# Altium PCB XTRXr5.PcbDoc (part 3 of 5) (continued)
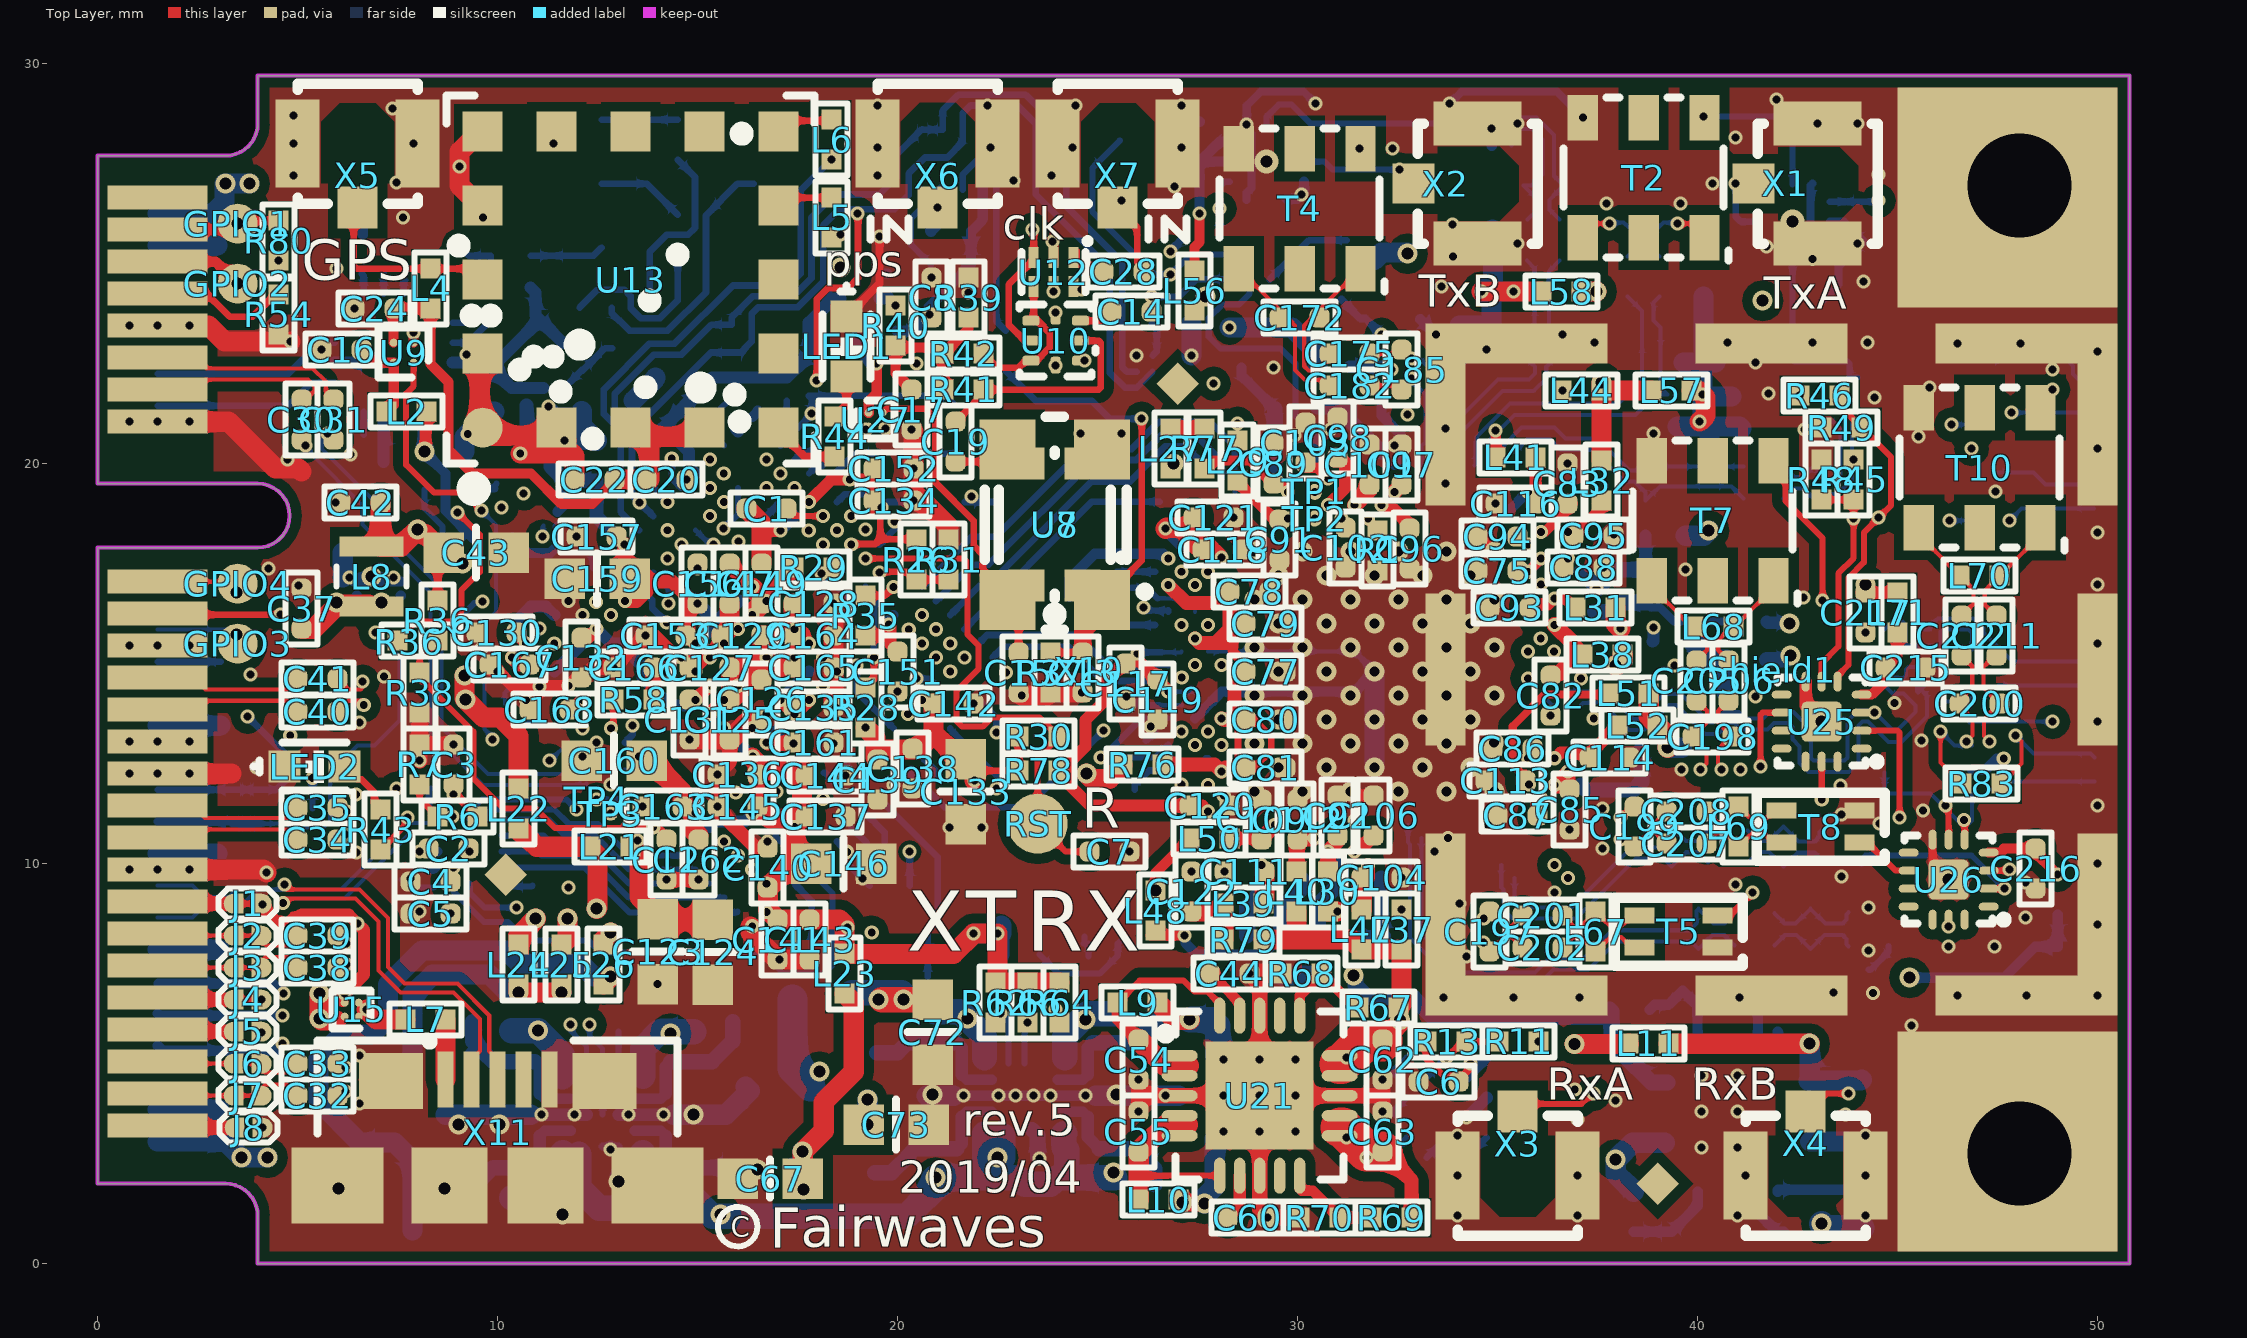
[diagram p0: Top Layer view]
## Nets (pads, with @x,y where several pads share a name; then routed paths per layer and width w, separated by ;. In a path a pad name is that pad's centre, name@x,y a point inside that pad or via, vN(x,y) a via of type N, cw(c..) or ccw(c..) an arc to the next point about the centre after c; other vN are vias at no path point) (continued)
  Bottom Layer w0.15: v1@26.223,16.327 U2.N33@26.764,16.327
  Bottom Layer w0.17: v1(26.15,16.4) v1@26.223,16.327 ; U2.N33@26.764,16.299 U2.N33@26.764,16.327
DIQ2_10: U1.U7 U2.P30 | length 12.5
  Layer 3 w0.102: v7(17.776,18.326) 17.772,18.322 17.772,17.878 18.071,17.578 18.236,17.578 18.443,17.372 18.443,17.032 19.15,16.325 20.253,16.325 20.481,16.553 23.67,16.553 24.645,15.578 26.156,15.578 26.43,15.304 27.566,15.304 27.763,15.501 v1(27.763,15.966)
  Bottom Layer w0.17: U1.U7@17.775,18.332 U1.U7@17.778,18.336 ; v7(17.776,18.326) U1.U7@17.776,18.331
DIQ2_11: U1.U8 U2.P32 | length 12.3
  Layer 3 w0.102: v7(18.132,17.982) 18.293,17.982 19.682,16.593 20.036,16.593 20.543,17.1 21.8,17.1 21.831,17.1 ccw(c21.831,17.252) 21.983,17.252 cw(c22.136,17.252) 22.136,17.405 cw(c22.136,17.252) 22.288,17.252 22.288,17.1 22.288,16.96 ccw(c22.44,16.96) 22.44,16.807 ccw(c22.44,16.96) 22.593,16.96 22.593,17.1 22.593,17.252 cw(c22.745,17.252) 22.745,17.405 cw(c22.745,17.252) 22.898,17.252 ccw(c23.05,17.252) 23.05,17.1 24.05,17.1 24.1,17.05 24.215,16.935 24.322,16.828 cw(c24.215,16.72) 24.322,16.612 ccw(c24.43,16.504) 24.322,16.397 ccw(c24.43,16.504) 24.538,16.397 24.646,16.504 24.753,16.612 cw(c24.861,16.504) 24.969,16.612 cw(c24.861,16.504) 24.969,16.397 ccw(c25.077,16.289) 24.969,16.181 25.077,16.073 25.184,15.966 v1(27.097,15.966)
DONE: R28.2 U1.U12 | length 2.3
  Top Layer w0.17: R28.2@19.2,14.4 19.408,14.608 v1(19.408,15.158)
  Bottom Layer w0.17: v1(19.408,15.158) 19.408,16.414 19.4,16.422 U1.U12@19.546,16.568
EN_GPIO: U1.D17 U30.2 U30.8 | length 33.5
  Layer 3 w0.102: v1(4.815,13.2) 4.364,12.749 4.364,11.38 3.075,10.092 3.075,6.116 5.687,3.504 7.451,3.504 8.247,4.3 18.225,4.3 19.034,5.109 19.034,7.958 v1(19.351,8.275)
  Layer 6 w0.102: v1(4.815,13.2) v2(5.935,13.2) ; v2(16.718,10.204) 17.162,10.204 17.397,9.969 17.397,9.753 18.422,8.728 18.898,8.728 v1(19.351,8.275)
EN_GPS: U1.L18 U9.A1 | length 25.3
  Top Layer w0.15: U9.A1@7.9,22.525 7.9,21.938 7.712,21.75 7.712,19.973 8.41,19.275 9.15,19.275 v1(9.6,18.825)
  Layer 3 w0.102: v1(9.875,13.101) 9.875,14.171 10.802,15.097 12.116,15.097 13.139,14.074 13.647,14.074 14.022,13.699 14.022,13.319 14.788,12.553 15.674,12.553 16.427,11.8 v7(16.975,11.8)
  Layer 6 w0.102: v7(16.975,11.8) 18.025,12.85 18.025,13.089 18.311,13.375 18.625,13.375 18.993,13.007 19.328,13.007 19.546,12.79 v2(19.546,12.325)
  Bottom Layer w0.102: v1(9.6,18.825) 9.953,18.472 9.953,16.292 9.672,16.01 9.672,13.361 9.875,13.157 v1(9.875,13.101)
EN_TCXO: U1.R19 U27.B1 | length 26.4
  Layer 4 w0.102: v1(19.201,20.851) 20.522,22.172 20.973,22.172 23.666,24.865 24.586,24.865 25.525,23.926 25.525,22.267 27.304,20.488 27.304,19.834 27.041,19.572 26.172,19.572 24.657,18.057 24.657,15.248 23.03,13.622 22.35,13.622 22.092,13.364 22.092,12.92 22.475,12.537 v1(22.475,11.875)
  Bottom Layer w0.152: U1.R19@21.314,13.386 21.314,13.361 22.475,12.2 v1(22.475,11.875)
EXT_CLK: U1.V17 U12.6 | length 11.3
  Layer 4 w0.102: v1(21.667,15.154) 23,16.486 23,23.864 23.764,24.628 24.322,24.628 v1(24.6,24.35)
FCLK_1: R2.1 U1.G19 | length 1.4
  Bottom Layer w0.17: U1.G19@18.485,10.557 18.675,10.368 18.675,10.075 R2.1@19.3,9.45
FCLK_2: R3.2 U1.W6 | length 1.8
  Bottom Layer w0.17: U1.W6@18.132,19.396 18.438,19.703 18.438,19.751 18.937,20.25 R3.2@19.525,20.25
FLASH_CCLK: U1.C11 U4'.B2 U4.B2 | length 24.9
  Layer 6 w0.102: v2@14.25,11.975 14.775,11.975 16.153,10.597 17.057,10.597 17.6,10.053 17.6,9.838 18.463,8.975 19.764,8.975 20.83,7.91 21.054,7.91 21.492,7.472 24.028,7.472 24.163,7.337 24.663,7.337 25.128,6.872 28.091,6.872 29.622,5.341 29.622,4.964 29.936,4.65 30.325,4.65 30.997,3.978 32.397,3.978 33.725,2.65 v2(34.225,2.65)
  Bottom Layer w0.17: v2(34.225,2.65) U4'.B2@34.725,3.15
  other v2: 14.243,11.972
FLASH_D0: R18.1 U1.D18 | length 7.1
  Layer 6 w0.102: v2(17.051,9.85) 17.051,9.812 17.425,9.438 17.425,8.836 18.757,7.503 20.886,7.503 21.339,7.05 22.45,7.05 v2(22.575,6.925)
FLASH_D1: R10.2 U1.D19 | length 1.8
  Bottom Layer w0.17: U1.D19@17.425,9.497 17.85,9.071 R10.2@17.85,7.85
FLASH_D2: R11.2 U1.G18 | length 21.2
  Layer 6 w0.102: v2(18.132,10.911) 18.132,10.854 19.536,9.45 19.864,9.45 20.461,8.853 20.795,8.853 21.726,7.922 22.636,7.922 22.718,8.003 25.878,8.003 26.583,7.298 28.535,7.298 31.011,4.822 31.932,4.822 32.089,4.978 33.361,4.978 33.844,4.496 34.971,4.496 v1(36.025,5.55)
FLASH_D3: R17.1 U1.F18 | length 9.1
  Layer 6 w0.102: v2(17.778,10.557) 17.803,10.532 17.803,10.068 18.624,9.247 19.78,9.247 20.377,8.65 20.622,8.65 21.597,7.675 v2(24.775,7.675)
  Bottom Layer w0.152: R17.1@24.675,8.175 24.675,8.028 24.65,8.003 24.773,8.003 24.775,8.001 v2(24.775,7.675)
FLASH_FCS_B: R12.1 U1.K19 U4'.C2 U4.C2 | length 27.1
  Layer 6 w0.102: v2(20.75,7.175) 19.2,7.175 18.75,6.725 18.75,3.1 20.102,1.748 26.148,1.748 26.4,2 32.575,2 v2(33.225,2.65)
  Bottom Layer w0.17: U1.K19@19.546,11.618 21,10.164 21,8.55 R12.1@20.75,8.3 ; R12.1@20.701,8.251 R12.1@20.75,8.3 ; v2(20.75,7.175) R12.1@20.75,8.3 ; v2(33.225,2.65) U4'.C2@33.725,3.15
FPGA_CLK: U1.N17 U10.1 | length 14.2
  Layer 4 w0.102: v1(18.975,14.95) 19.125,14.8 20.186,14.8 20.339,14.953 20.696,14.953 21.178,14.471 21.525,14.471 23.36,16.306 23.36,21.26 v1(24.675,22.575)
  Bottom Layer w0.17: v1(18.975,14.95) 18.975,14.31 U1.N17@19.899,13.386
FPGA_PRG_B: C7.2 R30.2 RST.1 U1.V10 | length 13.8
  Top Layer w0.152: v1(19.192,17.628) 21.646,17.629 21.75,17.525 21.75,15.725 22.025,15.45 22.025,14.875 21.472,14.322 21.472,13.563 21.611,13.425 22.125,13.425 22.35,13.65 23.55,13.65 R30.2@24.025,13.175 23.5,12.65 RST.1@23.5,11 24.2,10.3 C7.2@24.8,10.3
GND: C1.1 C2.1 C3.1 C4.1 C5.2 C6.1 C7.1 C8.1 C9.1 C10.2 C11.1 C12.1 C13.1 C15.1 C16.1 C17.2 C18.2 C20.2 C21.1 C22.1 C23.1 C24.1 C25.1 C26.2 C27.1 C29.2 C36.1 C37.2 C42.1 C43.2 C44.1 C45.1 C46.1 C47.1 C48.1 C49.1 C50.1 C51.1 C52.1 C53.1 C54.1 C55.1 C56.1 C57.1 C58.1 C59.1 C60.1 C61.1 C62.1 C63.1 C64.1 C65.1 C66.2 C67.1 C68.2 C69.1 C70.1 C71.1 C72.1 C73.1 C74.1 C75.1 C76.1 C77.1 C78.1 C79.1 C80.1 C81.1 C82.1 C83.1 C84.1 C85.1 C86.1 C87.1 C88.1 C89.1 C90.1 C91.1 C92.1 C93.1 C94.1 C95.1 C96.2 C97.2 C98.2 C99.2 C100.2 C101.2 C102.2 C103.2 C104.2 C105.2 C106.2 C107.2 C108.2 C109.2 C110.2 C111.2 C112.2 C113.2 C114.2 C115.2 C116.2 C117.2 C118.1 C119.1 C120.1 C121.1 C122.2 C123.1 C124.1 C125.2 C126.2 C127.2 C128.2 C129.2 C130.1 C131.2 C132.2 C133.1 C134.2 C135.2 C136.2 C137.2 C138.2 C139.2 C140.2 C141.2 C142.2 C143.2 C144.2 C145.2 C146.2 C147.2 C148.2 C149.2 C150.2 C151.2 C152.2 C153.2 C154.2 C155.2 C156.2 C157.2 C158.2 C159.2 C160.2 C161.2 C162.2 C163.2 C164.2 C165.2 C166.2 C167.2 C168.2 C169.2 C170.2 C183.2 C184.2 C189.2 C190.2 C191.2 C192.2 C193.1 C194.1 C215.1 C216.1 C217.2 C218.2 C219.1 C220.1 ESD1.2 GND2.1 GND3.1 J1.1 J1.2 J4.1 J4.2 J5.2 J8.2 LED1.1 LED2.1 R1.2 R5.2 R7.1 R9.2 R24.1 R31.2 R37.2 R38.2 R39.1 R48.1 R49.1 R50.1 R54.1 R60.1 R68.2 R70.2 R72.2 R74.2 R85.1 Shield1.0 T1.2 T1.5 T2.3 T3.2 T3.5 T4.3 T5.1 T6.2 T6.5 T7.3 T8.2 T9.2 T9.5 T10.3 U1.A1 U1.A3 U1.A5 U1.A7 U1.A9 U1.A13 U1.A19 U1.B3 U1.B5 U1.B7 U1.B9 U1.B12 U1.B13 U1.B14 U1.C2 U1.C3 U1.C4 U1.C6 U1.C10 U1.C12 U1.C19 U1.D3 U1.E3 U1.E17 U1.E18 U1.F1 U1.F2 U1.F19 U1.G1 U1.G8 U1.G11 U1.H7 U1.H8 U1.H11 U1.H12 U1.H18 U1.J8 U1.J9 U1.J11 U1.J12 U1.K8 U1.L8 U1.L9 U1.L11 U1.L19 U1.M9 U1.M13 U1.N9 U1.N12 U1.N13 U1.P2 U1.T19 U1.U6 U1.U9 U1.U10 U1.V18 U1.W1 U1.W11 U1.W12 U2.0 U2.AA31 U2.AF32 U2.AG29 U2.AJ7 U2.AJ9 U2.AJ19 U2.AK12 U2.AK20 U2.AL13 U2.AL23 U2.AM22 U2.AN25 U2.B18 U2.B20 U2.C7 U2.C23 U2.D20 U2.E25 U2.F6 U2.G31 U2.H2 U2.J33 U2.K4 U2.L3 U2.N3 U2.T30 U2.W29 U2.Y30 U3.C3 U4'.B3 U4.B3 U5.3 U6.A2 U7.2 U8.2 U9.B1 U10.4 U11.0 U11.10 U12.2 U13.1 U13.2 U13.4 U13.5 U13.16 U15.B2 U16.B2 U17.B2 U19.A3 U19.B3 U19.C1 U19.C3 U19.D1 U19.E3 U19.F3 U19.G3 U20.A3 U20.B3 U20.C1 U20.C3 U20.C5 U20.D1 U20.D3 U20.E3 U20.F3 U20.G3 U21.0 U21.3 U21.8 U21.13 U21.18 U22.0 U22.3 U22.8 U22.13 U22.18 U23.0 U23.1 U23.3 U23.4 U23.6 U23.10 U23.12 U24.0 U24.1 U24.3 U24.4 U24.6 U24.10 U24.12 U25.0 U25.7 U26.0 U26.7 U27.B2 U28.B2 U29.B2 U30.10 X1.2 X2.2 X3.2 X4.2 X5.2 X6.2 X7.2 X8.0 X8.1 X8.4 X8.7 X8.9 X8.12 X8.15 X9.6 X10.0 X10.4 X10.9 X10.15 X10.18 X10.21 X10.26 X10.27 X10.29 X10.34 X10.35 X10.37 X10.40 X10.43 X10.50 X11.0 X11.5 X12.0 X12.3 X12.5 X12.7 X13.0 X13.1 X13.4 X13.7 X13.9 X13.12 X13.15 | length 152.1
  Top Layer w0.15: J1.1@3.4,9 J1.1@3.525,9 J1.2@3.975,9 4.075,9 J1.2@4.1,8.975 ; J4.1@3.525,6.6 J4.2@3.975,6.6 J4.2@4.075,6.6
  Top Layer w0.152: 4.575,8.55 4.701,8.55 4.876,8.725 5.1,8.725
  Top Layer w0.2: U26.7@45.875,10.6 45.875,10 v11(46.275,9.6)
  Top Layer w0.203: LED1.1@18.725,23.675 19.55,24.5 v1(19.55,25.675)
  Top Layer w0.25: J1.2@4.075,9 J1.2@4.1,9 ; U9.B1@7.9,23.025 v1(7.9,23.275)
  Top Layer w0.254: v5(31.325,11.8) 31.425,11.7 C106.2@31.9,11.7 ; C94.1@34.5,18.175 34.875,17.8 v5(34.925,17.8)
  Top Layer w0.3: v1(10,14.8) 10.014,14.8 10.388,14.426 v1(11.051,14.426) ; C168.2@10.775,13.85 10.775,14.014 11.199,14.438 11.758,14.438 11.969,14.65 C132.2@12.1,14.65 12.35,14.9 v1(12.9,14.9) v1(13.7,15.7) 13.947,15.7 14.491,15.156 v1(14.596,15.156) 14.687,15.065 15.11,15.065 ; C127.2@14.8,14.9 14.945,14.9 15.11,15.065 ; C129.2@15.6,15.7 15.6,15.555 15.11,15.065 ; 16.6,18.325 v1(17.075,18.325)
  Top Layer w0.305: v1(4.125,8.975) 4.125,8.888 4.463,8.55 4.575,8.55 ; 5.1,8.725 6.275,8.725 v1(6.5,8.5) 6.655,8.345 6.655,7.23 6.12,6.695 U15.B2@6.12,6.564 ; v10(29.05,4.2) v7(29.95,4.2) ; U25.7@42.7,14.55 42.7,13.95 v11(43.1,13.55)
  Top Layer w0.35: X10.43@1.5,6.65 1.55,6.6 J4.1@3.4,6.6 ; X10.37@1.5,9.05 1.55,9 J1.1@3.4,9 ; v3(14.225,9.6) v3(15.025,9.6) ; C145.2@15.461,11.386 16.447,10.4 C140.2@16.75,10.4 ; v3(15.5,11.425) 15.498,11.427 v3(15.5,12.225) v3(15.5,12.225) 15.8,12.525 C125.2@15.8,13.1 15.8,13.243 v1(15.657,13.386)
  Top Layer w0.381: R38.2@8.05,13.775 v3(8.05,12.575) R7.1@8.05,12.975 v9(8.9,12.975) ; v3(26.025,3.8) 26.025,4.2 ; v3(26.025,4.6) 26.025,4.2 ; v3(28.8,7.25) 29.05,7 U21.18@29.05,6.2 v10(29.05,5.1) v10(29.05,4.2) ; v7(29.95,4.2) U21.13@31.05,4.2 32,4.2 ; R70.2@30.05,1.15 v1(29.25,1.15) 29.05,1.35 U21.8@29.05,2.2 v10(29.05,3.3) v10(29.05,4.2) ; v3(32.125,3.8) 32.125,4.075 32,4.2 ; v3(32.125,4.6) 32.125,4.325 32,4.2 ; 26.025,4.2 v1(26.7,4.2) U21.3@27.05,4.2 v10(28.15,4.2) v10(29.05,4.2)
  Top Layer w0.5: v3(1.5,9.85) 4.15,9.85 v1(4.225,9.775) ; v3(1.5,12.25) 3.35,12.25 ; v3(1.5,21.05) 3.275,21.05 4.45,19.875 5.025,19.875 5.1,19.8 ; v3(1.5,23.45) 2.775,23.45 3.175,23.05 v1(4.825,23.05) ; U13.2@9.55,22.75 9.55,20.9 9.75,20.7 11.2,20.7 11.4,20.9 11.726,20.574 11.401,20.25 ; U13.4@9.55,26.45 9.05,26.95 v1(9.05,27.425) 9.05,27.8 U13.5@9.55,28.3 ; v1(10.564,20.25) 11.401,20.25 ; C22.1@11.925,19.6 11.925,20.191 11.866,20.25 11.401,20.25 ; v1(14.8,13.1) C125.2@15.8,13.1 16.3,13.6 C126.2@16.6,13.6 ; C129.2@15.6,15.7 15.8,15.9 C147.2@15.8,16.5 ; C1.1@16.225,18.875 16.6,18.5 16.6,18.325 C149.2@16.6,17.5 ; v1@16.325,8.425 16.325,8.275 C141.2@17,7.6 v9(17.05,7.6) C143.2@17.8,7.6 ; C135.2@18.4,13.9 C165.2@18.4,14.9 C164.2@18.4,15.7 v1(18.4,16.5) ; v1(20.35,20.85) 20.4,20.8 v3(20.4,19.875) v3(20.4,19.075) 20.625,19.075 21.275,18.425 R31.2@21.275,18.1 ; C15.1@23.025,14.272 23.097,14.201 v3(23.101,14.201) 23.751,14.201 R37.2@23.825,14.275 23.851,14.301 23.876,14.276 v1(24.601,14.276) ; v3(28.8,7.25) R68.2@29.6,7.25
  Layer 6 w0.127: v1(22.525,4.2) v1(22.95,4.2) v1(23.4,4.2) v1(23.825,4.2)
  Bottom Layer w0.102: U2.T30@27.763,15.3 31.425,15.3 v5(31.925,14.8)
  Bottom Layer w0.15: v2@16.95,10.9 16.95,10.678 U1.E17@17.071,10.557 U1.E18@17.425,10.204 ; U1.E18@17.425,10.2 U1.E18@17.425,10.203 ; U1.F19@18.125,10.2 18.121,10.204 U1.E18@17.425,10.204
  Bottom Layer w0.17: U1.B9@13.182,12.325 U1.B9@13.189,12.318 ; U1.C10@13.882,12.318 U1.C10@13.9,12.3
  Bottom Layer w0.2: U24.6@28.725,26.59 v2(28.725,26.62) 28.725,26.775 28.839,26.889 28.839,28.257 28.664,28.432 28.725,28.493 U24.10@28.725,28.51 28.725,28.95 29.075,29.3 30.15,29.3 v1(30.45,29) ; v1(33.8,29) 34.1,29.3 36.48,29.3 v1(37.13,28.65) ; U23.10@42.875,25.09 v1(42.875,25.12) 42.875,25.325 42.825,25.375 42.825,26.96 U23.6@42.875,27.01
  Bottom Layer w0.203: U19.D1@12.625,2.925 12.825,2.925 U19.C1@13.025,2.925
  Bottom Layer w0.25: U1.C10@13.889,12.325 14.05,12.486 v2(14.05,12.7) ; v2(27.43,13.634) U2.Y30@27.763,13.968 U2.W29@28.096,14.3 31.425,14.3 v5(31.925,14.8)
  Bottom Layer w0.254: U1.F1@11.768,16.568 U1.G1@12.121,16.921 ; R24.1@12.099,21.314 12.1,21.315 R24.1@12.1,21.35 ; U1.W1@16.364,21.164 16.5,21.3 v6(16.5,21.325) ; 21.4,4.2 v1(21.65,4.2) v1(22.525,4.2) v1(22.95,4.2) v1(23.4,4.2) v1(23.825,4.2) v1(24.7,4.2) ; v2(24.3,16.675) 24.3,17.125 24.925,17.75 26.644,17.75 v1(26.764,17.631) ; v1(27.1,28.95) 27.1,28.7 27.25,28.55 C170.2@27.55,28.55 ; U24.4@29.725,26.62 29.995,26.62 v1(30.1,26.725) 30.155,26.78 U24.3@30.155,27.05 ; C190.2@33.063,23.612 33.449,23.226 v1(33.458,23.226) ; T3.5@34.85,27.95 v1(34.85,28.375) T3.2@34.85,28.8 ; X8.12@46.86,12.35 47.2,12.35 47.476,12.626 v1(47.652,12.626)
  Bottom Layer w0.3: U11.10@5.925,22.525 U11.0@7.15,22.525 ; v2(11.414,14.8) U1.E3@12.121,15.507 ; v1(17.075,18.325) 17.075,18.339 U1.U6@17.425,18.689
  Bottom Layer w0.305: 10.825,3.725 v1(11.1,3.725) v1(11.925,3.725) U19.E3@12.225,3.725 ; v1@12.825,2.925 13.025,2.725 v4(13.025,2.05) ; U19.C3@13.025,3.725 v1(13.275,3.725) v1(14.15,3.725) 14.4,3.725 ; C9.1@20.834,25.821 20.834,25.834 21.116,26.115 21.116,26.269 21.125,26.278 U5.3@21.125,26.85 ; v1(24.7,4.2) 24.95,4.2 ; C100.2@31.3,22.425 C99.2@32.1,22.425 ; v1(34.225,3.65) U4'.B3@34.725,4.15
  Bottom Layer w0.381: v2@23.357,3.357 23.5,3.213 C59.1@23.5,2.65
  Bottom Layer w0.5: v2(1.5,3.85) 3.05,3.85 ; v2(1.5,7.85) 3.05,7.85 ; v2(1.5,10.25) 3,10.25 ; v2(1.5,13.45) 3.075,13.45 ; v2(1.5,25.45) 3,25.45 ; C27.1@9.175,20.3 9.175,20.669 v1(9.251,20.745) 9.806,21.3 C21.1@9.925,21.3 ; C148.2@13.393,21.582 13.95,22.139 C150.2@13.95,22.15 ; v1(27.35,22.7) C10.2@27.35,23.5 ; v2(29.6,7.2) v6(30.5,7.2) ; v5(31.925,12.4) v5(31.925,13.6) v5(31.925,14.8)
  Bottom Layer w0.508: 8.7,3.725 10.825,3.725 ; 11.325,21.25 11.419,21.156 ; v1(11.675,20.575) C158.2@11.7,20.6 ; R24.1@12.099,21.314 R24.1@12.099,21.156 ; R24.1@12.1,21.315 R24.1@12.1,21.157 ; 14.4,3.725 v4(14.9,3.725) 15.7,3.725 16.3,4.325 C66.2@16.2,4.425 ; v4@20.725,4.2 21.4,4.2 ; 24.95,4.2 v1(26.7,4.2) 27.025,4.2 ; 11.419,21.156 11.7,20.875 C158.2@11.7,20.6 ; 11.419,21.156 R24.1@12.099,21.156 ; C158.2@11.7,20.6 12.099,20.999 ; C158.2@11.7,20.6 v1(12.375,20.6) 12.4,20.575 C155.2@12.475,20.575 12.099,20.951 12.099,20.999 ; 12.099,20.999 R24.1@12.099,21.156 ; 12.099,20.999 12.1,21 R24.1@12.1,21.157 ; R24.1@12.099,21.156 R24.1@12.1,21.157
  other v1: 34,1.2 37,1.2 41,1.2 37,2.2 23.55,2.625 12.825,2.85 40.1,2.9 41,2.9 4.125,3.402 43.7,3.725 40.1,3.8 41,3.8 6.55,4 37.95,4.075 36.927,4.35 40.1,4.7 41,4.7 6.55,5.2 4.1,5.775 45.35,5.95 4.1,6.602 33.65,6.65 35.4,6.65 37.05,6.65 41.043,6.65 46.5,6.7 48.225,6.7 50,6.7 6.175,6.75 44.378,6.77 43.4,6.775 34.225,7.675 44.275,7.825 46.275,7.925 47.425,7.925 16.364,8.436 50,8.475 48.2,8.65 8.05,8.8 44.275,8.9 34.05,9 36.425,9.275 40.944,9.479 48.2,9.525 43.6,9.675 50,10 6.475,10.275 9.3,10.3 33.424,10.305 37.625,10.375 33.757,10.638 34.756,10.971 44.55,11 31.425,11.075 43.6,11.225 45.638,11.325 37.625,11.375 50,11.45 28.151,11.701 6.463,11.727 43.575,11.95 12.825,11.975 19.899,11.972 27.097,11.978 39.6,12.35 41.075,12.35 3.975,12.4 12.121,12.679 18.4,13 12.475,13.032 45.6,13.075 16.364,13.388 6.55,13.525 50,13.55 16.718,13.741 10.707,14.093 41.45,14.175 11.768,14.448 18.132,14.446 7.158,14.681 14.95,14.802 18.485,14.802 15.303,15.154 18.132,15.154 15.657,15.509 50,15.5 16.01,15.863 12.121,16.216 11.768,16.57 42.65,16.65 50,16.975 39.7,17.35 4.275,17.375 15,17.375 37.902,18.226 50,18.275 5.95,19.025 47.45,19.3 4.75,20.1 6.325,20.225 50,20.375 45.525,20.675 29.925,20.7 24.575,20.75 25.6,20.75 38.9,20.75 30.825,20.85 42.675,20.85 19.7,20.875 11.275,21.425 44.425,21.65 41.775,21.75 13.693,21.907 45.795,21.9 32.35,22.35 48.875,22.35 29.4,22.4 20.475,22.5 41.45,22.525 25.975,22.7 50,22.8 34.725,22.85 46.5,23 48.075,23 37.425,23.025 40.75,23.025 42.875,23.025 44.25,23.025 36.625,23.225 23.95,23.775 21.775,24.275 33.6,24.425 44.15,24.55 5.975,24.875 33.883,25.175 41.725,25.425 23.875,25.55 33.875,25.975 7.63,26.15 9.63,26.15 37.725,26.5 39.575,26.5 26.925,26.925 40.375,27 7.475,27.026 22.9,27.075 4.9,27.2 19.5,27.2 23.85,27.2 44.525,27.225 32.375,27.875 19.5,27.9 24.375,27.9 27.1,27.9 4.9,28 40.95,28.15 28.725,28.48 43,28.5 44,28.5 4.9,28.7 7.375,28.875 19.5,28.95 24.45,28.95 41.975,29.1
  other v2: 23.375,3.375 0.8,3.85 2.3,3.85 10.35,4.325 9.05,4.425 23.575,5.025 0.8,7.85 2.3,7.85 35.175,8.075 44.273,8.36 38.777,9.063 17.071,9.143 18.132,10.204 0.8,10.25 2.3,10.25 30.094,10.305 43.6,10.413 14.25,10.557 14.95,10.557 31.093,10.638 14.596,10.911 16.95,10.925 38.685,10.934 14.243,11.264 14.596,11.618 13.185,12.329 0.8,13.45 2.3,13.45 11.768,13.739 12.475,13.739 16.01,13.739 21.667,13.739 16.364,14.093 14.596,14.446 46.86,14.75 15.657,14.8 17.071,14.8 22.021,14.8 11.061,15.154 11.768,15.154 16.364,15.507 16.718,15.861 17.071,16.214 0.8,16.65 1.5,16.65 2.3,16.65 6.55,16.651 7.65,16.651 39.7,16.675 36.754,16.965 18.839,17.275 20.253,17.275 36.421,17.298 18.485,17.628 19.899,17.628 37.087,17.964 27.43,18.297 35.755,18.63 10.575,18.8 11.075,18.825 29.428,18.963 31.093,19.296 30.094,19.629 35.427,19.651 31.093,19.962 31.759,19.962 43.575,21.65 6.9,22.275 7.9,22.275 31.1,22.35 6.9,23.275 40.15,25.175 0.8,25.45 2.3,25.45 8.63,26.15 21.125,26.428 41.725,26.7 42.875,26.98 29.9,28.225
  other v3: 44.2,1.2 41.2,2.2 44.2,2.2 44.2,3.2 14,6.987 7.825,9.625 19.125,9.625 32.6,9.65 27.35,9.8 28.175,9.8 0.8,9.85 2.3,9.85 18.731,10.297 25.8,10.3 16.75,10.55 36.8,10.85 21.3,10.9 22.1,10.9 13.625,11.425 18.7,12.2 0.8,12.25 2.3,12.25 0.8,13.05 1.5,13.05 2.3,13.05 26.326,13.426 36.325,13.7 21.9,14 44.925,14.018 25.725,14.175 20,14.3 3.825,14.725 9.6,15.375 0.8,15.45 1.5,15.45 2.3,15.45 44.2,15.775 5.025,16.95 37.65,17.4 11.975,18.175 28.4,18.65 34.95,19 33.7,19.5 14.725,19.6 36.75,20 32.425,20.45 33.7,20.875 0.8,21.05 2.3,21.05 9.225,22.725 5.6,22.85 0.8,23.45 2.3,23.45 6.425,23.875 20.85,24.65 35.5,25.5 44,25.5 22.325,27.9 7.9,28 35.5,28.5 22.25,28.95
  other v4: 11.625,1.225 6.025,1.875 8.675,1.875 16.5,2.35 9.025,3.475 10.05,3.475 20.875,4.225 25.475,4.225 16.1,28.25
  other v5: 28.925,11.8 30.125,11.8 32.525,11.8 33.725,11.8 34.925,11.8 29.525,12.4 30.725,12.4 33.125,12.4 34.325,12.4 28.925,13 30.125,13 31.325,13 32.525,13 33.725,13 34.902,13.026 29.525,13.6 30.725,13.6 33.125,13.6 34.325,13.6 28.925,14.2 30.125,14.2 31.325,14.2 32.525,14.2 33.725,14.2 34.925,14.2 29.525,14.8 30.725,14.8 33.125,14.8 34.325,14.8 28.925,15.4 30.125,15.4 31.325,15.4 32.525,15.4 33.725,15.4 34.925,15.4 29.525,16 30.725,16 31.925,16 33.125,16 34.325,16 28.925,16.6 30.125,16.6 31.325,16.6 32.525,16.6 33.725,16.6 34.925,16.6 29.525,17.2 30.725,17.2 31.925,17.2 33.125,17.2 34.325,17.2 28.925,17.8 30.125,17.8 31.325,17.8 32.525,17.8 33.725,17.8
  other v6: 41.9,2.9 41.9,3.8 41.9,4.7 32.2,7.2 27.725,8.2 46.275,8.75 29.428,9.639 30.427,9.972 35.422,10.971 18.485,11.264 11.414,13.386 5.375,13.725 3.575,14.826 4.025,15.7 36.754,16.299 14.95,19.05
  other v7: 29.95,3.3 29.95,5.1
  other v9: 34,2.2 34,3.2 37,3.6 18.451,13.901
  other v10: 28.15,3.3 28.15,5.1
  other v11: 42.375,26.05 29.225,27.55
GPIO8: U1.N3 U30.3 | length 16.5
  Layer 3 w0.102: v1(6.95,15.775) 7.203,15.775 7.75,16.322 7.75,16.694 8.958,17.902 10.363,17.902 11.015,18.554 12.146,18.554 12.425,18.275 12.425,17.85 12.9,17.375 13.35,17.375 13.678,17.047 15.136,17.047 15.372,17.282 15.372,17.947 v1(15.4,17.975)
  Bottom Layer w0.102: U30.3@5.935,12.7 6.25,12.7 6.5,12.95 6.925,12.95 7.55,13.575 7.55,15.175 v1(6.95,15.775)
  Bottom Layer w0.127: U1.N3@14.95,18.336 15.31,17.975 v1(15.4,17.975)
GPIO9_N: U1.J1 X12.4 | length 13.4
  Layer 6 w0.102: v2(8.13,26.15) 7.855,25.875 7.855,25.687 8.842,24.7 12.517,24.7 13.075,24.142 13.075,20.275 12.375,19.575 12.375,18.239 12.828,17.786 v2(12.828,17.628)
GPIO9_P: U1.H1 X12.2 | length 13.8
  Layer 6 w0.102: v2(7.13,26.15) 7.525,25.755 7.525,25.55 8.705,24.37 12.38,24.37 12.745,24.005 12.745,20.412 12.045,19.712 12.045,18.103 v6@12.361,17.786
  Bottom Layer w0.102: v6(12.35,17.8) 12.35,17.4 U1.H1@12.475,17.275
GPIO11_N: U1.L2 X12.8 | length 13.4
  Layer 6 w0.102: v2(10.13,26.15) 10.125,26.15 9.805,25.83 9.805,25.587 9.883,25.509 13.458,25.509 14.55,24.417 14.55,21.433 14.375,21.258 13.967,20.85 13.967,19.925 13.217,19.175 13.217,18.846 13.393,18.671 13.54,18.671 13.855,18.356 v2@13.855,17.948 ; v2@13.855,17.875 v2@13.855,17.948 ; v2(13.889,17.982) v2@13.855,17.948
GPIO11_P: U1.K2 X12.6 | length 13.6
  Layer 6 w0.102: v2(9.13,26.15) 9.475,25.805 9.475,25.45 9.746,25.179 13.321,25.179 14.22,24.28 14.22,21.57 13.637,20.987 13.637,20.062 12.887,19.312 12.887,18.709 13.256,18.341 13.403,18.341 13.525,18.219 13.525,17.639 v2(13.536,17.628)
GPIO13: U1.T17 X8.8 X13.8 | length 62.1
  Layer 3 w0.102: v7(20.475,14.625) 20.541,14.625 20.935,14.231 20.935,13.838 18.969,11.872 18.474,11.872 18.4,11.946 17.996,11.946 17.803,11.754 17.803,11.482 18.084,11.202 18.084,9.941 18.742,9.283 19.843,9.283 20.451,8.675 25.902,8.675 26.877,7.7 30.304,7.7 32.404,5.6 32.8,5.6 36.8,1.6 44.228,1.6 44.768,2.14 44.768,5.9 45.146,6.278 46.694,6.278 49.328,8.913 49.328,13.097 v1(48.875,13.55) 48.875,18.348 v1(46.848,20.375)
  Bottom Layer w0.102: X8.8@46.8,13.531 X8.8@46.819,13.55 ; X8.8@46.86,13.55 X8.8@46.819,13.55 ; v1(48.875,13.55) X8.8@46.819,13.55
  Bottom Layer w0.152: v7(20.475,14.625) 20.782,14.625 U1.T17@20.96,14.446
GPS_1PPS: U1.P3 U13.6 | length 20.4
  Top Layer w0.17: v3(11.4,28) U13.6@11.4,28.3 ; v3(17.975,22.075) 17.975,24.11 18.255,24.39 18.764,24.39 19.012,24.638 19.012,26.241 v3(19,26.253)
  Layer 3 w0.102: v3(11.4,28) 11.825,27.575 17.678,27.575 v3(19,26.253) ; v1(15.303,18.689) 14.912,19.081 14.78,19.081 14.022,19.838 14.022,20.262 15.572,21.812 15.572,21.862 15.785,22.075 v3(17.975,22.075)
GPS_ANT: L4.2 U13.3 X5.1 | length 4.7
  Top Layer w0.17: X5.1@6.4,26.4 6.4,24.95 6.475,24.875 L4.2@8.325,24.875 9.275,24.875 U13.3@9.55,24.6
GPS_RXD: C23.2 L6.1 U1.L1 | length 13.4
  Layer 6 w0.102: v1@18.348,27.598 v1(18.35,27.6)
  Bottom Layer w0.17: U1.L1@13.536,18.336 13.075,18.796 13.075,20.821 12.654,21.242 12.654,21.855 13.798,23 14.425,23 15.883,24.458 17.283,24.458 17.575,24.75 17.575,26.825 C23.2@18.475,27.725
GPS_TXD: C25.2 L5.1 U1.N2 | length 8.9
  Layer 6 w0.102: v2(14.596,18.689) 14.596,19.546 14.68,19.63 14.68,20.911 15.477,21.708 15.477,22.302 16.425,23.25 16.425,24.025 18.125,25.725 v1(18.575,25.725)
INIT_B: R29.2 U1.U11 | length 1.8
  Top Layer w0.102: v1(18.1,17.25) 18.25,17.25 R29.2@18.4,17.4
  Bottom Layer w0.17: v1(18.1,17.25) 18.163,17.25 18.713,16.7 18.971,16.7 U1.U11@19.192,16.921
IQ_SEL_1: U1.P17 U2.Y32 | length 12.8
  Layer 6 w0.102: v1(20.253,13.741) 20.38,13.741 20.507,13.741 cw(c20.507,13.614) 20.634,13.614 20.634,12.954 ccw(c20.761,12.954) 20.761,12.827 ccw(c20.761,12.954) 20.888,12.954 20.888,13.614 cw(c21.015,13.614) 21.015,13.741 21.025,13.741 21.205,13.741 21.55,14.087 22.562,14.087 23.104,14.629 23.3,14.629 ccw(c23.3,14.781) 23.452,14.781 23.452,15.227 cw(c23.605,15.227) 23.605,15.379 cw(c23.605,15.227) 23.757,15.227 23.757,14.781 ccw(c23.91,14.781) 23.91,14.629 ccw(c23.91,14.781) 24.062,14.781 24.062,15.227 cw(c24.214,15.227) 24.214,15.379 cw(c24.214,15.227) 24.367,15.227 24.367,14.781 ccw(c24.519,14.781) 24.519,14.629 ccw(c24.519,14.781) 24.672,14.781 24.672,15.227 cw(c24.824,15.227) 24.824,15.379 cw(c24.824,15.227) 24.976,15.227 24.976,14.781 ccw(c25.129,14.781) 25.129,14.629 25.25,14.629 25.371,14.629 v2(25.95,14.05)
  Bottom Layer w0.102: 26.537,13.963 U2.Y32@27.092,13.963
  Bottom Layer w0.12: U2.Y32@27.092,13.963 U2.Y32@27.097,13.968
  Bottom Layer w0.17: v2(25.95,14.05) 26.037,13.963 26.537,13.963
IQ_SEL_2: U1.U3 U2.R33 | length 13.4
  Layer 6 w0.102: v2(16.364,19.75) 16.375,19.739 16.375,18.059 18.284,16.15 19.139,16.15 19.314,16.325 20.253,16.325 20.471,16.543 21.091,16.543 22,15.633 v2(26.764,15.633)
LDO1.4V: C76.2 L34.2 U2.K2 U2.L5 | length 4.3
  Layer 3 w0.3: v1(36.088,16.983) 36.164,17.059 37.291,17.059 v1(37.475,16.875)
  Bottom Layer w0.3: C76.2@38.7,17.35 L34.2@38.7,18.2
  Bottom Layer w0.381: U2.K2@37.087,17.298 37.509,16.875 37.984,17.35 C76.2@38.7,17.35
LDO1.25V1: C75.2 L33.2 U2.J5 U2.K6 | length 11.9
  Top Layer w0.25: C75.2@35.5,17.2 35.657,17.2 v1(35.755,17.298) v1(36.088,17.631)
  Layer 3 w0.2: v1(35.755,17.298) 35.371,17.681 35.371,19.498 35.573,19.7 35.982,19.7 36.557,19.125 38.2,19.125 39.25,18.075 39.25,16.09 39.425,15.915 v1(39.425,14.95)
  Layer 3 w0.25: v1(35.755,17.298) v1(36.088,17.631)
  Bottom Layer w0.25: v1(35.755,17.298) v1(36.088,17.631)
LED: R43.1 U1.N18 | length 20
  Top Layer w0.152: R43.1@7.075,10.35 7.75,11.025 v3(7.75,11.15)
  Layer 3 w0.102: v3(7.75,11.15) 8.572,11.972 8.572,13.111 8.764,13.303 9.096,13.303 9.652,12.747 10.037,12.747 10.229,12.94 10.229,14.18 10.899,14.85 12,14.85 13.025,13.825 13.55,13.825 13.775,13.6 13.775,13.224 15.223,11.776 v1(15.951,11.776)
  Layer 6 w0.102: v1(15.951,11.776) 17.05,12.875 17.05,13.2 17.25,13.4 17.625,13.4 18.19,13.965 19.461,13.965 19.855,13.571 19.855,13.43 v2(20.257,13.029)